# Altium PCB ADC130MSPS-V1-01.PcbDoc (part 6 of 7)
Units mil, origin at the board's own origin, x right, y up, seen from the top; angles counter-clockwise.
Board outline 3011.81 x 2716.54 mil, 8 copper layers (Top Layer, GND1, L3, GND2, L5, GND3, POWER, Bottom Layer), stack 53.051 mil thick; 405 components, 449 nets, 2142 pads, 1651 vias.
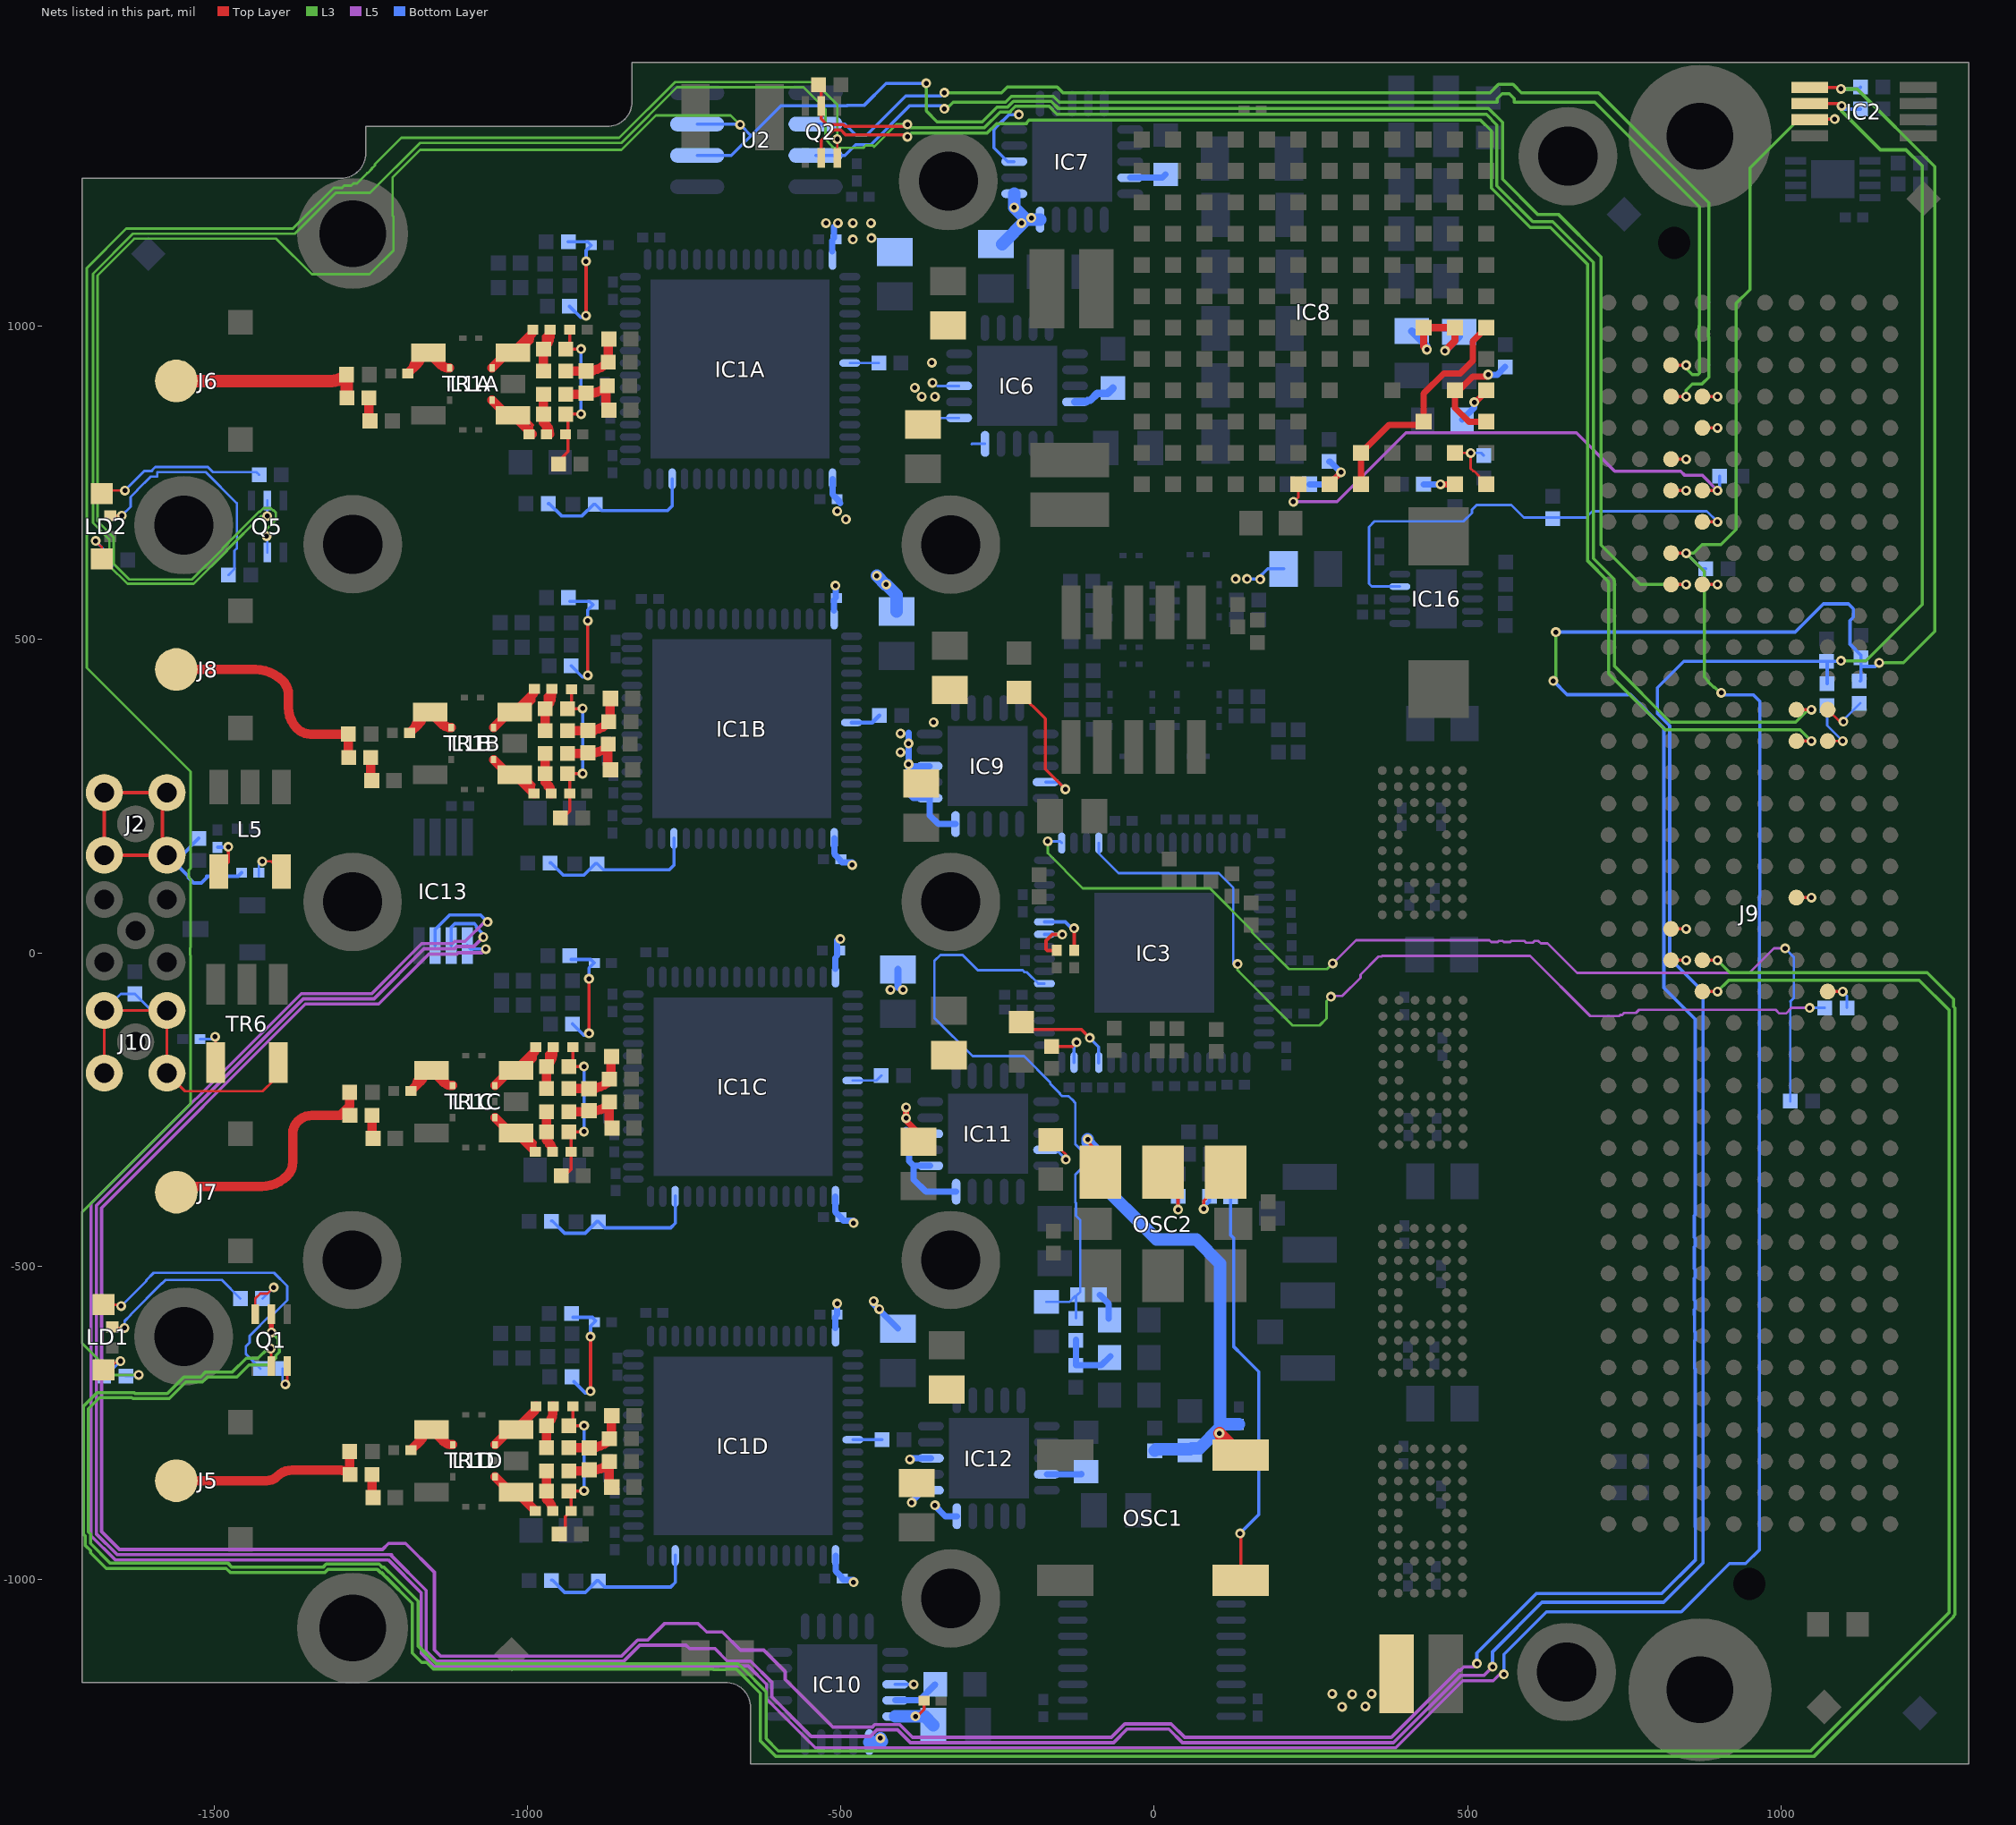
[diagram p12: the nets of this part, all layers, seen from the top]

## Via types
v1: diameter 15.75, hole 7.87, Top Layer to Bottom Layer, tented both sides, 1222 vias
v2: diameter 19.68, hole 7.87, Top Layer to Bottom Layer, tented both sides, 285 vias
v3: diameter 15.75, hole 7.87, Top Layer to Bottom Layer, 144 vias

## Nets (pads, with @x,y where several pads share a name; then routed paths per layer and width w, separated by ;. In a path a pad name is that pad's centre, name@x,y a point inside that pad or via, vN(x,y) a via of type N, cw(c..) or ccw(c..) an arc to the next point about the centre after c; other vN are vias at no path point) (continued)
LA14_P: J9.c18 R7.1 | length 52.9
  Top Layer w5: J9.c18@1074.92,-61.99 v1(1099,-62)
  Bottom Layer w4: v1(1099,-62) 1105.72,-68.72 R7.1@1105.72,-88
LA15_N: J9.h20 | length 24.1
  Top Layer w5: J9.h20@824.92,38.01 v1(849,38)
LA15_P: J9.h19 | length 24.1
  Top Layer w5: J9.h19@824.92,-11.99 v1(849,-12)
LA16_N: J9.g19 Q1.2 | length 5316.7
  Top Layer w4: v1(-1410,-632) -1409.41,-632.59 Q1.2@-1409.41,-659.68
  Top Layer w5: J9.g19@874.92,-11.99 v1(899,-12)
  L3 w5: v1(-1410,-632) -1415.09,-632 -1430.46,-647.37 -1441.54,-647.37 -1441.57,-647.34 -1449.34,-647.34 -1471.19,-669.19 -1475.88,-669.19 -1514.35,-669.19 -1522.35,-677.19 -1528.71,-677.19 -1548.86,-677.19 -1575.36,-703.69 -1626.92,-703.69 -1628.61,-702 -1670.71,-702 -1686.86,-702 -1709.5,-724.64 -1709.5,-882.92 -1709.5,-928.08 -1706,-931.58 -1706,-946.31 -1698,-954.31 -1698,-958 -1672.89,-983.11 -1481.26,-983.11 -1475.22,-989.14 -1323.42,-989.14 -1318.38,-984.11 -1240.44,-984.11 -1235.4,-989.14 -1233.99,-989.14 -1225.55,-997.59 -1225.29,-997.59 -1184.83,-1038.05 -1184.83,-1038.3 -1184.33,-1038.8 -1184.33,-1117.57 -1184.47,-1117.72 -1169.19,-1133 -1161.28,-1133 -1150.28,-1144 -704.06,-1144 -703.68,-1144.37 -684.32,-1144.37 -683.94,-1144 -666.58,-1144 -665.5,-1145.08 -628.5,-1182.08 -628.5,-1258.37 -603.64,-1283.22 1052.78,-1283.22 1276,-1060 1276,-1058.73 1278,-1056.73 1278,-88.27 1276,-86.27 1276,-74 1234,-32 919,-32 v1(899,-12)
LA16_P: J9.g18 Q1.5 | length 5297.2
  Top Layer w5: J9.g18@874.92,-61.99 v1(899,-62)
  Top Layer w8.2: Q1.5@-1409.41,-577 -1409.41,-605.59 v1(-1409,-606)
  L3 w5: v1(-1409,-606) -1398.54,-616.46 -1398.54,-624.54 -1396.63,-626.46 -1396.63,-637.54 -1402,-642.91 -1402,-647 -1413,-658 -1445,-658 -1464.19,-677.19 -1511.04,-677.19 -1519.04,-685.19 -1532.02,-685.19 -1545.55,-685.19 -1572.05,-711.69 -1630.24,-711.69 -1631.93,-710 -1674.02,-710 -1683.55,-710 -1701.5,-727.95 -1701.5,-886.24 -1701.5,-924.76 -1698,-928.26 -1698,-943 -1666.89,-974.11 -1478.94,-974.11 -1471.91,-981.14 -1326.73,-981.14 -1321.69,-976.11 -1237.13,-976.11 -1232.09,-981.14 -1230.67,-981.14 -1229.26,-981.14 -1221.82,-988.59 -1221.57,-988.59 -1175.83,-1034.32 -1175.83,-1034.58 -1175.33,-1035.08 -1175.33,-1106.23 -1146.55,-1135 -1142.13,-1135 -1141.75,-1135.37 -1118.25,-1135.37 -1117.87,-1135 -700.33,-1135 -699.95,-1135.37 -688.05,-1135.37 -687.67,-1135 -664.26,-1135 -657.5,-1141.76 -619.5,-1179.76 -619.5,-1254.64 -599.91,-1274.22 1047.78,-1274.22 1269,-1053 1269,-92 1221,-44 917,-44 v1(899,-62)
LA17_CC_N: J9.d21 | length 24.1
  Top Layer w5: J9.d21@1024.92,88.01 v1(1049,88)
LA26_N: J9.d27 Q2.5 Q5.5 R88.2 | length 4835.6
  Top Layer w5: R88.2@-535.72,1386 -531.41,1381.69 Q2.5@-531.41,1352 -531.41,1331.41 -522.37,1322.37 -496.32,1322.37 -492.94,1319 -397.37,1319 v1(-394,1322.37) ; J9.d27@1024.92,388.01 v1(1049,388)
  L3 w4: v3(-1416,697) -1426,697 -1480,643 -1480,642.1 -1533.1,589 -1638.9,589 -1667.87,617.97 -1667.87,660.1 -1693.9,686.13 -1693.9,1084.2 -1630.1,1148 -1371.6,1148 -1306.36,1213.24 -1251.76,1213.24 -1172,1293 -850.69,1293 -761.69,1382 -560,1382 -525,1347 -525,1299 -519.87,1293.87 -519.87,1293.25 -514,1287.38 -514,1287 -513,1286 -512.62,1286 -511.75,1285.13 -464.49,1285.13 -460.75,1288.87 -449.25,1288.87 -447.19,1286.81 -411.63,1322.37 v1(-394,1322.37)
  L3 w5: v1(-394,1322.37) -389.13,1317.5 -270.73,1317.5 -246.1,1342.13 -229.37,1342.13 -229.37,1343.54 -221.54,1351.37 -167.74,1351.37 -155,1338.64 530.09,1338.64 547,1321.73 547,1224.27 604.27,1167 636.27,1167 701,1102.27 701,629.27 733.8,596.47 733.8,594.18 734.3,593.68 734.3,457.7 824,368 1024,368 1044,388 v1(1049,388)
  Bottom Layer w4: v3(-1416,697) -1415.59,697.41 Q5.5@-1415.59,722
LA26_P: J9.d26 Q2.2 | length 2481.1
  Top Layer w5: Q2.2@-531.41,1269.32 -531.41,1296.59 -522,1306 -519.33,1306 -511.95,1313.37 -500.05,1313.37 -492.67,1306 -397.37,1306 v1(-394,1302.63) ; J9.d26@1024.92,338.01 v1(1049,338)
  L3 w5: v1(-394,1302.63) -388.63,1308 -388.05,1308 -387.55,1308.5 -267,1308.5 -251.87,1323.63 -204,1323.63 ; -204,1325 -199.36,1329.64 520.55,1329.64 538,1312.18 538,1220.54 600.54,1158 632.54,1158 692,1098.54 692,625.54 724.8,592.74 724.8,590.45 725.3,589.95 725.3,445.7 815,356 1031,356 v1(1049,338)
LA27_N: J9.c27 R35.2 | length 73.4
  Top Layer w4: J9.c27@1074.92,388.01 1093.93,369 v3(1100,369)
  Bottom Layer w4: v3(1100,369) 1100,371.28 R35.2@1127,398.28
LA27_P: J9.c26 R37.2 | length 90.7
  Top Layer w4: J9.c26@1074.92,338.01 v3(1099,338)
  Bottom Layer w4: R37.2@1074,394.28 1074,363 v3(1099,338)
LA28_N: IC2.3 IC13.3 J9.h32 R5.1 | length 7123.3
  Top Layer w5: J9.h32@824.92,638.01 v1(849,638) ; IC2.3@1046.39,1330.2 1047.18,1331 v3(1086,1331)
  L5 w5: v3(-1064,49) -1064,50 -1068,50 -1099.84,18.16 -1116.57,18.16 -1120.24,14.5 -1169.04,14.5 -1248.89,-65.35 -1361.67,-65.35 -1696.82,-400.5 -1696.82,-930.91 -1658.63,-969.11 -1222.58,-969.11 -1170.33,-1021.36 -1170.33,-1118.22 -1149.24,-1139.3 -694.79,-1139.3 -694.33,-1138.84 -668.06,-1138.84 -667.89,-1139.02 -647.67,-1139.02 -618.61,-1168.08 -618.61,-1191.39 -540.77,-1269.22 385.23,-1269.22 492.46,-1162 541,-1162 551,-1152 v3(558,-1152)
  L3 w5: v1(905,415) 903,415 894.37,423.63 893.05,423.63 884.63,432.05 884.63,433.37 878,440 878,609 v1(849,638) 861,638 874.37,651.37 904.37,651.37 929,676 929,1036.91 951,1058.91 951,1253 1029,1331 v3(1086,1331)
  Bottom Layer w5: IC13.3@-1147.8,11.39 -1147.8,37.2 -1125,60 -1075,60 v3(-1064,49) ; v3(558,-1152) 558,-1120 626,-1052 841.24,-1052 917.83,-975.4 944,-975.4 966,-953.4 966,89 967,90 967,401 956,412 908,412 v1(905,415) ; v1(849,638) 874,613 R5.1@880.28,613
LA28_P: J9.h31 Q5.2 U2.2 U2.3 | length 4567.2
  Top Layer w5: J9.h31@824.92,588.01 v1(849,588)
  L3 w4: v1(-1417,665) -1417,676.38 -1402.13,691.25 -1402.13,702.75 -1405.48,706.1 -1406.9,706.1 -1410.67,709.87 -1421.33,709.87 -1427.21,704 -1428.9,704 -1487,645.9 -1487,645 -1536,596 -1636,596 -1660.87,620.87 -1660.87,663 -1686.9,689.03 -1686.9,1081.3 -1628.2,1140 -1401.33,1140 -1344.46,1083.13 -1252.46,1083.13 -1214.35,1121.24 -1214.35,1175.14 -1215.61,1176.39 -1215.61,1238.08 -1171.69,1282 -850.37,1282 -795.37,1337 -676,1337 v1(-661,1322)
  L3 w5: v1(-364,1388) -364,1344 -346.5,1326.5 -274.46,1326.5 -250.83,1350.13 -234.1,1350.13 -224.85,1359.37 -164.42,1359.37 -152.69,1347.64 534,1347.64 556,1325.64 556,1235 612,1179 645,1179 713,1111 713,651 776,588 v1(849,588)
  Bottom Layer w4: v1(-1417,665) -1415.59,663.59 Q5.2@-1415.59,639.32
  Bottom Layer w5: U2.2@-729.49,1273 -675,1273 -643.5,1304.5 ; U2.3@-729.49,1323 -662,1323 v1(-661,1322) -643.5,1304.5 ; v1(-364,1388) -428,1388 -463.37,1352.63 -489.95,1352.63 -490.21,1352.37 -494.95,1352.37 -495.33,1352 -596,1352 -643.5,1304.5
LA29_N: J9.g31 | length 24.1
  Top Layer w5: J9.g31@874.92,588.01 v1(899,588)
LA30_N: J9.h35 | length 24.1
  Top Layer w5: J9.h35@824.92,788.01 v1(849,788)
LA30_P: J9.h34 | length 24.1
  Top Layer w5: J9.h34@824.92,738.01 v1(849,738)
LA31_N: IC8.G12 J9.g34 R78.2 | length 842.4
  Top Layer w4: v1(222,720) 223,721 224,721 230,727 IC8.G12@230,748
  Top Layer w5: J9.g34@874.92,738.01 v1(899,738)
  L5 w5: v1(222,720) 292,720 402,830 674,830 735,769 840,769 847,762 875,762 v1(899,738)
  Bottom Layer w4: v1(222,720) v1@223,721
  Bottom Layer w5: v1(899,738) 902.28,741.28 R78.2@902.28,761
LA31_P: IC16.9 J9.g33 R48.2 | length 758.9
  Top Layer w5: J9.g33@874.92,688.01 v1(899,688)
  Bottom Layer w4: IC16.9@391.93,584.69 347.31,584.69 343,589 343,680 351.87,688.87 493.87,688.87 507.13,702.13 507.13,707.33 514.67,714.87 520,714.87 520,715 570,715 590,695 689,695 699,705 882,705 v1(899,688)
LA32_N: J9.h38 U2.7 | length 1865.6
  Top Layer w5: J9.h38@824.92,938.01 v1(849,938)
  L3 w5: v1(-335,1347.38) -331.93,1347.38 -321.19,1358.13 -237.41,1358.13 -228.17,1367.37 -161.11,1367.37 -151.87,1358.13 547.63,1358.13 547.63,1363.54 555.46,1371.37 566.54,1371.37 574.37,1363.54 574.37,1358.13 702.95,1358.13 870,1191.08 870,1001.13 869.63,1000.75 869.63,977.25 870,976.87 870,925 868,923 859,923 849,933 v1(849,938)
  Bottom Layer w5: U2.7@-540.51,1273 -493.79,1273 -476.53,1290.26 -452.58,1290.26 -390.33,1352.51 -340.13,1352.51 v1(-335,1347.38)
LA32_P: J9.h37 U2.6 | length 1909.5
  Top Layer w5: J9.h37@824.92,888.01 v1(849,888)
  L3 w5: v1(-335,1373.13) -243.62,1373.13 -234.38,1382.37 -154.9,1382.37 -145.65,1373.13 536,1373.13 549.25,1386.37 572.75,1386.37 586,1373.13 709.16,1373.13 885,1197.29 885,994.91 884.63,994.54 884.63,983.46 885,983.09 885,918.79 874.21,908 859,908 849,898 v1(849,888)
  Bottom Layer w5: U2.6@-540.51,1323 -493.79,1323 -476.53,1305.74 -459,1305.74 -396.74,1368 -340.13,1368 v1(-335,1373.13)
LA33_N: J9.g37 | length 24.1
  Top Layer w5: J9.g37@874.92,888.01 v1(899,888)
LA33_P: J9.g36 | length 24.1
  Top Layer w5: J9.g36@874.92,838.01 v1(899,838)
NetC1A_1: C1A.1 L1A.1 TR1A.8 | length 246.4
  Top Layer w5: C1A.1@-992.44,990.95 C1A.1@-992.44,994.34 ; L1A.1@-1032.73,958 TR1A.8@-1057.14,933.59 L1A.1@-1032.73,958 ; L1A.1@-1032.73,958 L1A.1@-1023.48,958 ; L1A.1@-1032.73,958 L1A.1@-1023.48,958 ; L1A.1@-1023.48,958 L1A.1@-1010.67,958 ; L1A.1@-1023.48,958 L1A.1@-1010.67,958 ; L1A.1@-1010.67,958 -993.03,975.63 -993.03,978.92 -992.44,979.52 C1A.1@-992.44,994.34 ; C1A.1@-992.44,994.34 C1A.1@-991.78,995 C1A.1@-992.44,994.34
  Top Layer w15: TR1A.8@-1057.14,933.59 L1A.1@-1032.73,957.99 ; L1A.1@-1023.48,958 -995.53,985.95 ccw(c-1004.58,995) -992.44,990.95 ccw(c-1004.58,995) C1A.1@-991.78,995
NetC1A_2: C1A.2 R1A.1 R3A.2 | length 139.5
  Top Layer w5: R1A.1@-974.72,928.82 R3A.2@-974.72,963.82 -974.72,984.5 C1A.2@-964.22,995
  Top Layer w15: R1A.1@-974.72,928.82 R3A.2@-974.72,963.82 ccw(c-1000.07,989.17) -964.22,989.17 C1A.2@-964.22,995
NetC1B_1: C1B.1 L1B.1 TR1B.8 | length 246.4
  Top Layer w5: C1B.1@-989.72,416.95 C1B.1@-989.72,420.34 ; L1B.1@-1030.02,384 TR1B.8@-1054.42,359.59 L1B.1@-1030.02,384 ; L1B.1@-1030.02,384 L1B.1@-1020.76,384 ; L1B.1@-1030.02,384 L1B.1@-1020.76,384 ; L1B.1@-1020.76,384 L1B.1@-1007.95,384 ; L1B.1@-1020.76,384 L1B.1@-1007.95,384 ; L1B.1@-1007.95,384 -990.31,401.63 -990.31,404.92 -989.72,405.52 C1B.1@-989.72,420.34 ; C1B.1@-989.72,420.34 C1B.1@-989.06,421 C1B.1@-989.72,420.34
  Top Layer w15: TR1B.8@-1054.42,359.59 L1B.1@-1030.02,383.99 ; L1B.1@-1020.76,384 -992.81,411.95 ccw(c-1001.86,421) -989.72,416.95 ccw(c-1001.86,421) C1B.1@-989.06,421
NetC1B_2: C1B.2 R1B.1 R3B.2 | length 139.5
  Top Layer w5: R1B.1@-972,354.82 R3B.2@-972,389.82 -972,410.5 C1B.2@-961.5,421
  Top Layer w15: R1B.1@-972,354.82 R3B.2@-972,389.82 ccw(c-997.35,415.17) -961.5,415.17 C1B.2@-961.5,421
NetC1C_1: C1C.1 L1C.1 TR1C.8 | length 246.4
  Top Layer w5: C1C.1@-987.64,-154.62 C1C.1@-987.64,-151.23 ; L1C.1@-1027.94,-187.58 TR1C.8@-1052.34,-211.99 L1C.1@-1027.94,-187.58 ; L1C.1@-1027.94,-187.58 L1C.1@-1018.68,-187.58 ; L1C.1@-1027.94,-187.58 L1C.1@-1018.68,-187.58 ; L1C.1@-1018.68,-187.58 L1C.1@-1005.87,-187.58 ; L1C.1@-1018.68,-187.58 L1C.1@-1005.87,-187.58 ; L1C.1@-1005.87,-187.58 -988.24,-169.94 -988.24,-166.65 -987.64,-166.06 C1C.1@-987.64,-151.23 ; C1C.1@-987.64,-151.23 C1C.1@-986.98,-150.57 C1C.1@-987.64,-151.23
  Top Layer w15: TR1C.8@-1052.34,-211.99 L1C.1@-1027.94,-187.59 ; L1C.1@-1018.68,-187.58 -990.73,-159.62 ccw(c-999.78,-150.57) -987.64,-154.62 ccw(c-999.78,-150.57) C1C.1@-986.98,-150.57
NetC1C_2: C1C.2 R1C.1 R3C.2 | length 139.5
  Top Layer w5: R1C.1@-969.92,-216.75 R3C.2@-969.92,-181.75 -969.92,-161.07 C1C.2@-959.43,-150.57
  Top Layer w15: R1C.1@-969.92,-216.75 R3C.2@-969.92,-181.75 ccw(c-995.27,-156.4) -959.43,-156.4 C1C.2@-959.43,-150.57
NetC1D_1: C1D.1 L1D.1 TR1D.8 | length 145
  Top Layer w5: TR1D.8@-1052.23,-785.41 -1027.83,-761 L1D.1@-1018.57,-761 L1D.1@-1005.76,-761 ; C1D.1@-987.53,-728.05 -987.53,-724.66 C1D.1@-986.87,-724
  Top Layer w15: TR1D.8@-1052.23,-785.41 L1D.1@-1027.83,-761.01 ; L1D.1@-1018.57,-761 -990.62,-733.05 ccw(c-999.67,-724) -987.53,-728.05 ccw(c-999.67,-724) C1D.1@-986.87,-724
NetC1D_2: C1D.2 R1D.1 R3D.2 | length 69
  Top Layer w15: R1D.1@-969.81,-790.18 R3D.2@-969.81,-755.18 ccw(c-995.16,-729.83) -959.31,-729.83 C1D.2@-959.31,-724
NetC2A_2: C2A.2 L1A.5 TR1A.1 | length 185.9
  Top Layer w5: C2A.2@-1191.22,925 -1185,943 L1A.5@-1171.22,956.78 ; L1A.5@-1158.52,958 -1149.27,958 TR1A.1@-1124.86,933.59
  Top Layer w15: C2A.2@-1191.22,925 -1176.68,939.54 ccw(c-1194.92,957.78) -1169.13,957.78 -1168.91,958 L1A.5@-1158.52,958 ; L1A.5@-1149.27,958 L1A.5@-1158.52,958 ; TR1A.1@-1124.86,933.59 cw(c-1124.85,955.93) -1140.65,940.13 L1A.5@-1158.52,958
NetC2B_2: C2B.2 L1B.5 TR1B.1 | length 208.6
  Top Layer w5: C2B.2@-1188.5,351 -1182,368 ; L1B.5@-1168.22,381.78 -1182,368 ; L1B.5@-1160.94,378.56 -1182,368 ; L1B.5@-1155.8,384 -1146.55,384 TR1B.1@-1122.14,359.59
  Top Layer w15: C2B.2@-1188.5,351 -1173.96,365.54 ccw(c-1192.21,383.78) -1166.41,383.78 -1166.19,384 L1B.5@-1155.8,384 ; L1B.5@-1146.55,384 L1B.5@-1155.8,384 ; TR1B.1@-1122.14,359.59 cw(c-1122.14,381.93) -1137.94,366.13 L1B.5@-1155.8,384
NetC2C_2: C2C.2 L1C.5 TR1C.1 | length 186.5
  Top Layer w5: C2C.2@-1186.43,-220.57 -1180,-202 L1C.5@-1166.22,-188.22 ; L1C.5@-1153.72,-187.58 -1144.47,-187.58 TR1C.1@-1120.06,-211.99
  Top Layer w15: C2C.2@-1186.43,-220.57 -1171.89,-206.04 ccw(c-1190.13,-187.8) -1164.33,-187.8 -1164.11,-187.58 L1C.5@-1153.72,-187.58 ; L1C.5@-1144.47,-187.58 L1C.5@-1153.72,-187.58 ; TR1C.1@-1120.06,-211.99 cw(c-1120.06,-189.65) -1135.86,-205.44 L1C.5@-1153.72,-187.58
NetC2D_2: C2D.2 L1D.5 TR1D.1 | length 103.6
  Top Layer w15: C2D.2@-1186.31,-794 -1171.78,-779.46 ccw(c-1190.02,-761.22) -1164.22,-761.22 -1164,-761 L1D.5@-1153.61,-761 ; L1D.5@-1144.36,-761 L1D.5@-1153.61,-761 ; TR1D.1@-1119.95,-785.41 cw(c-1119.95,-763.07) -1135.75,-778.87 L1D.5@-1153.61,-761
NetC3A_1: C3A.1 C5A.2 R1A.2 R2A.1 | length 230.8
  Top Layer w5: R1A.2@-939.29,928.82 -885.89,928.82 R2A.1@-871.72,943 -870.72,944 C3A.1@-870.72,980 ; R2A.1@-873.17,941.55 R2A.1@-871.72,943
  Top Layer w15: R1A.2@-939.29,928.82 -907.11,928.82 C5A.2@-907,928.72 C5A.2@-906.2,928.72 ; C5A.2@-896.93,928.72 C5A.2@-906.2,928.72 ; R2A.1@-871.72,943 cw(c-906.2,977.48) -902.96,928.82 cw(c-906.2,977.48) C5A.2@-906.2,928.72 ; R2A.1@-871.72,943 -871.72,977.59 cw(c-868.3,977.59) C3A.1@-870.72,980
NetC3B_1: C3B.1 C5B.2 R1B.2 R2B.1 | length 230.8
  Top Layer w5: R1B.2@-936.57,354.82 -883.18,354.82 -869,369 -868,370 C3B.1@-868,406 ; R2B.1@-870.45,367.55 R2B.1@-869.02,368.98
  Top Layer w15: R1B.2@-936.57,354.82 -904.39,354.82 C5B.2@-904.28,354.72 C5B.2@-903.48,354.72 ; C5B.2@-894.22,354.72 C5B.2@-903.48,354.72 ; R2B.1@-869.02,368.98 cw(c-903.48,403.48) -900.25,354.82 cw(c-903.48,403.48) C5B.2@-903.48,354.72 ; R2B.1@-869,369 -869,403.59 cw(c-865.59,403.59) C3B.1@-868,406
NetC3C_1: C3C.1 C5C.2 R1C.2 R2C.1 | length 230.8
  Top Layer w5: R1C.2@-934.49,-216.75 -881.1,-216.75 R2C.1@-866.92,-202.57 ; R2C.1@-868.37,-204.03 R2C.1@-866.94,-202.59 ; C3C.1@-865.92,-165.57 -865.92,-201.57 R2C.1@-866.92,-202.57
  Top Layer w15: R1C.2@-934.49,-216.75 -902.31,-216.75 C5C.2@-902.2,-216.86 C5C.2@-901.4,-216.86 ; C5C.2@-892.14,-216.86 C5C.2@-901.4,-216.86 ; C3C.1@-865.92,-165.57 ccw(c-863.51,-167.99) -866.92,-167.99 -866.92,-202.57 cw(c-901.4,-168.09) -898.17,-216.75 cw(c-901.4,-168.09) C5C.2@-901.4,-216.86
NetC3D_1: C3D.1 C5D.2 R1D.2 R2D.1 | length 120
  Top Layer w5: R2D.1@-868.26,-777.45 R2D.1@-866.83,-776.02
  Top Layer w15: R1D.2@-934.38,-790.18 -902.2,-790.18 C5D.2@-902.09,-790.28 C5D.2@-901.29,-790.28 ; C5D.2@-892.03,-790.28 C5D.2@-901.29,-790.28 ; R2D.1@-866.83,-776.02 cw(c-901.29,-741.52) -898.06,-790.18 cw(c-901.29,-741.52) C5D.2@-901.29,-790.28 ; R2D.1@-866.81,-776 -866.81,-741.41 cw(c-863.4,-741.41) C3D.1@-865.81,-739
NetC4A_1: C4A.1 C26A.1 R3A.1 R6A.2 R16A.1 | length 260.3
  Top Layer w5: R16A.1@-944.72,791 -935.78,799.94 -935.78,828 -935.78,856.32 R6A.2@-939.29,859.82 -915.18,859.82 v1(-915,860) ; C4A.1@-932.78,994.73 -932.78,970.33 R3A.1@-939.29,963.82 -915.18,963.82 v1(-915,964)
  Bottom Layer w5: v1(-915,860) v1(-915,964)
NetC4B_1: C4B.1 C26B.1 R3B.1 R6B.2 R16B.1 | length 255.3
  Top Layer w5: R16B.1@-942,217 -933.06,225.94 C26B.1@-933.06,254 R6B.2@-933.06,282.32 ; R6B.2@-936.57,285.82 -912.46,285.82 v1(-912.28,286) ; C4B.1@-930.06,420.73 -930.06,396.33 R3B.1@-936.57,389.82 -912.46,389.82 v1(-912.28,390)
  Bottom Layer w5: v1(-912.28,286) v1(-912.28,390)
NetC4C_1: C4C.1 C26C.1 R3C.1 R6C.2 R16C.1 | length 255.3
  Top Layer w5: R16C.1@-939.92,-354.57 -930.98,-345.64 C26C.1@-930.98,-317.57 R6C.2@-930.98,-289.26 ; R6C.2@-934.49,-285.75 -910.38,-285.75 v1(-910.2,-285.57) ; C4C.1@-927.98,-150.84 -927.98,-175.24 R3C.1@-934.49,-181.75 -910.38,-181.75 v1(-910.2,-181.57)
  Bottom Layer w5: v1(-910.2,-285.57) v1(-910.2,-181.57)
NetC4D_1: C4D.1 C26D.1 R3D.1 R6D.2 R16D.1 | length 255.5
  Top Layer w5: R16D.1@-939.81,-928 -940,-927.81 -940,-900.13 C26D.1@-930.87,-891 R6D.2@-930.87,-862.68 ; R6D.2@-934.38,-859.18 -910.27,-859.18 v1(-910.09,-859) ; C4D.1@-927.87,-724.27 -927.87,-748.67 R3D.1@-934.38,-755.18 -910.27,-755.18 v1(-910.09,-755)
  Bottom Layer w5: v1(-910.09,-859) v1(-910.09,-755)
NetC5A_1: C5A.1 C7A.1 R8A.2 R9A.1 | length 221.8
  Top Layer w5: R8A.2@-939.29,891.82 -886.89,891.82 -871.72,907 -870.72,906 C7A.1@-870.72,866
  Top Layer w15: R8A.2@-939.29,891.82 -910.52,891.82 ccw(c-910.52,896.81) C5A.1@-907,893.28 -900.32,893.28 ccw(c-900.32,929.23) -874.91,903.81 -874.91,876.11 ccw(c-860.6,876.11) C7A.1@-870.72,866
NetC5B_1: C5B.1 C7B.1 R8B.2 R9B.1 | length 220.4
  Top Layer w5: R8B.2@-936.57,317.82 -884.18,317.82 R9B.1@-869,333 ; C7B.1@-868,292 R9B.1@-868,332
  Top Layer w15: R8B.2@-936.57,317.82 -907.81,317.82 ccw(c-907.81,322.81) C5B.1@-904.28,319.28 -897.6,319.28 ccw(c-897.6,355.23) -872.19,329.81 -872.19,302.11 ccw(c-857.89,302.11) C7B.1@-868,292
NetC5C_1: C5C.1 C7C.1 R8C.2 R9C.1 | length 220.4
  Top Layer w5: R8C.2@-934.49,-253.75 -882.1,-253.75 R9C.1@-866.92,-238.57 ; C7C.1@-865.92,-279.57 R9C.1@-865.92,-239.57